# KiCad board architeuthis_dux.kicad_pcb
title: KEYBOARD_NAME_HERE; rev: VERSION_HERE; company: YOUR_NAME_HERE
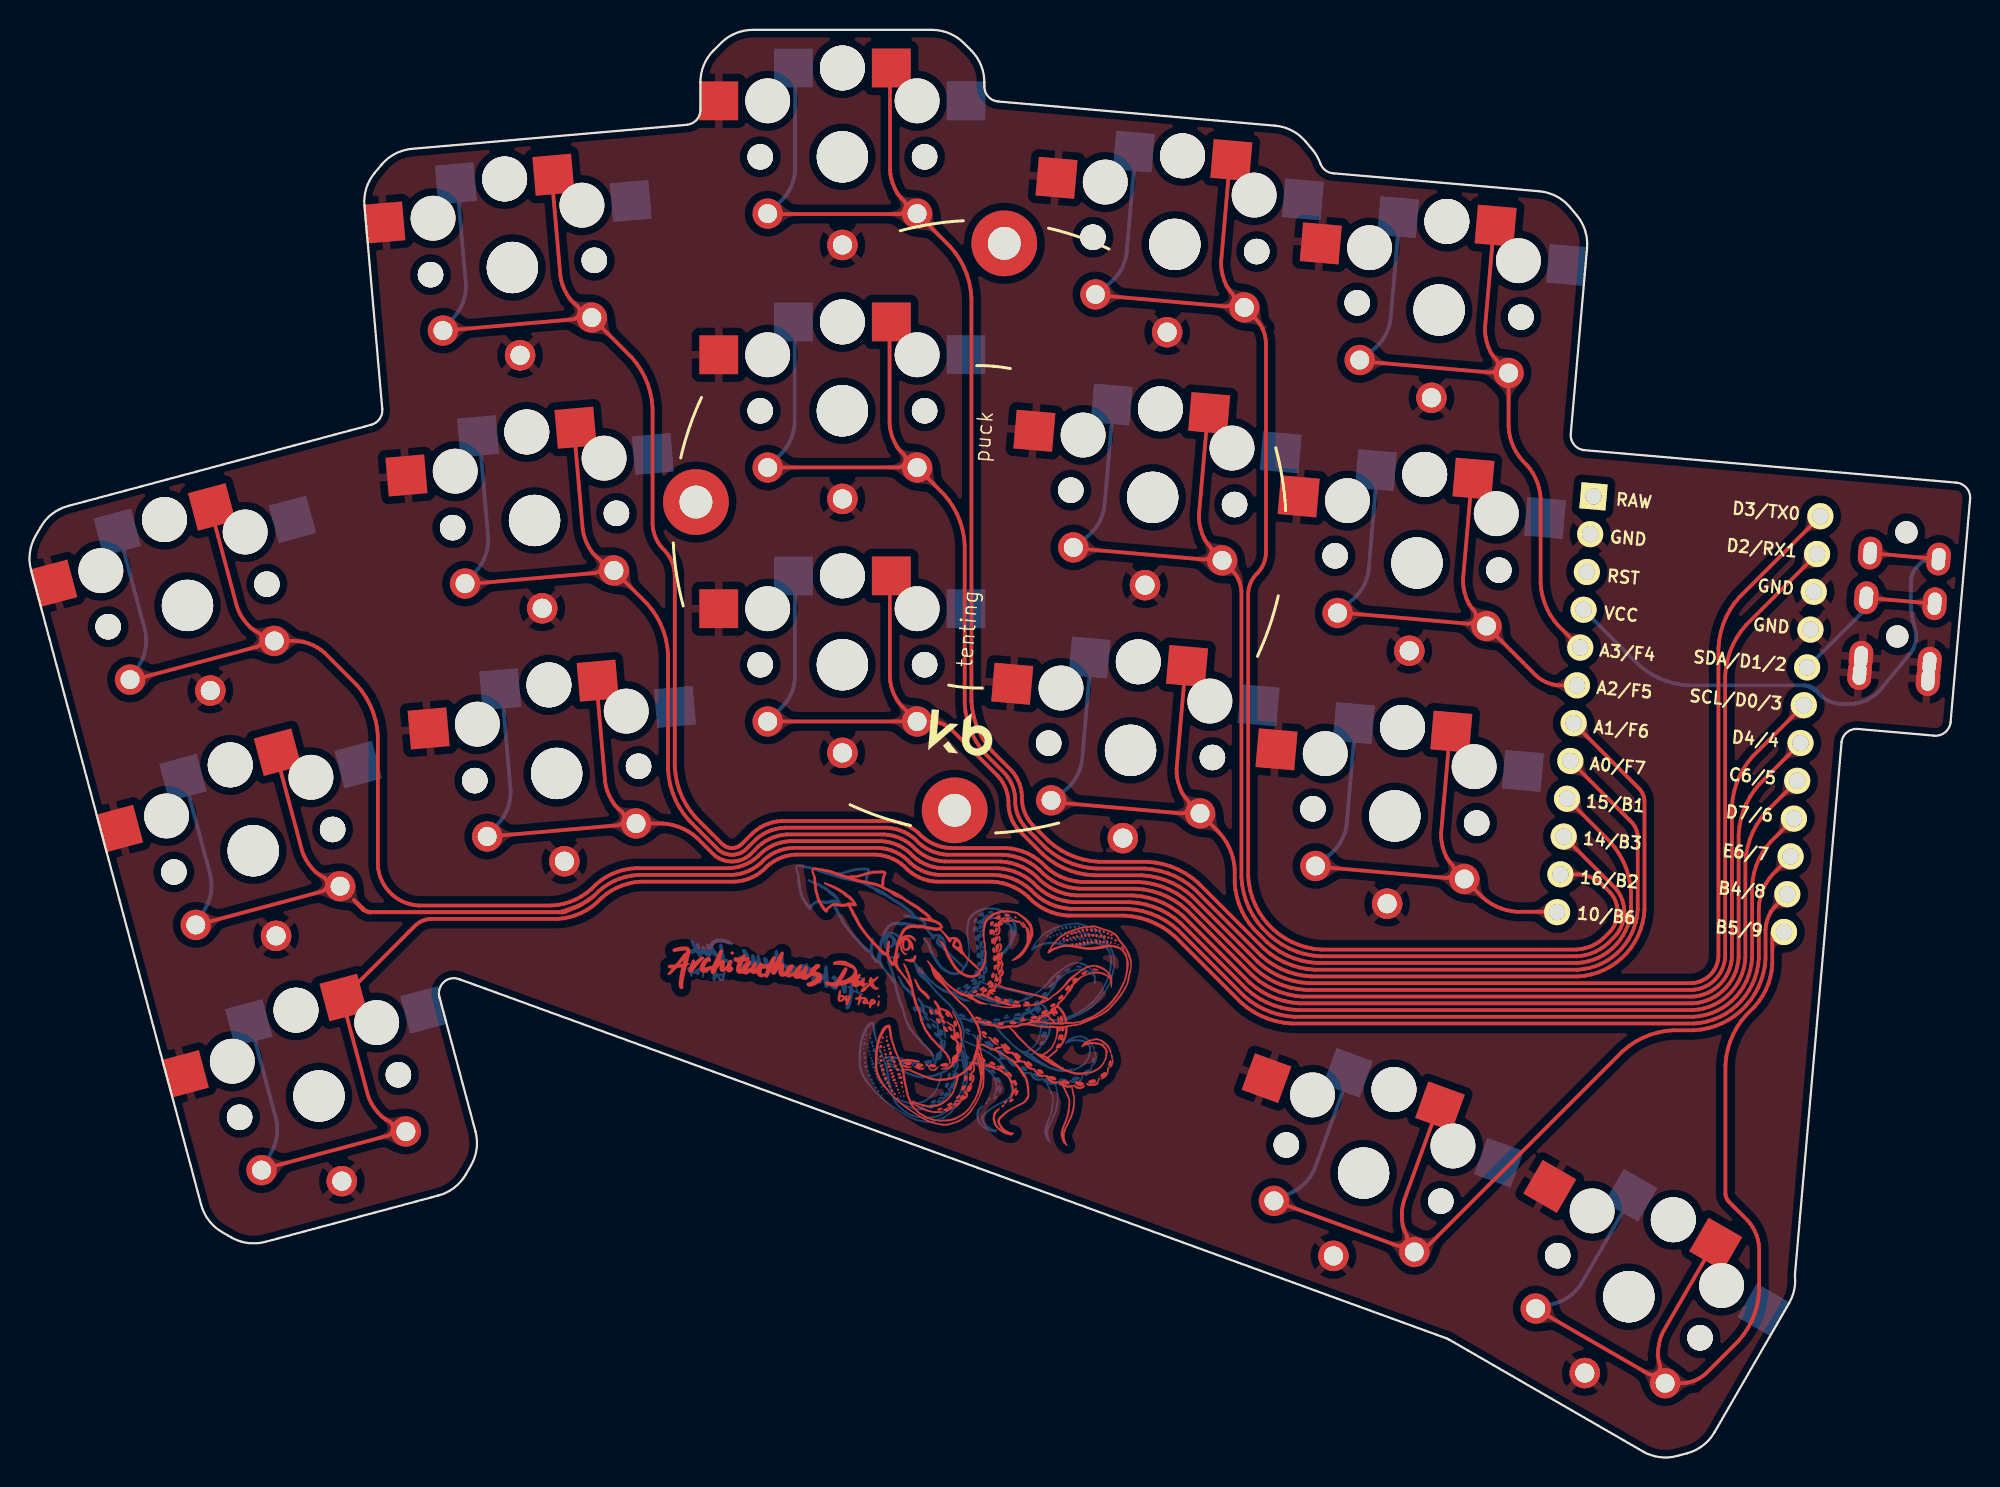
[diagram p0: board, top side]
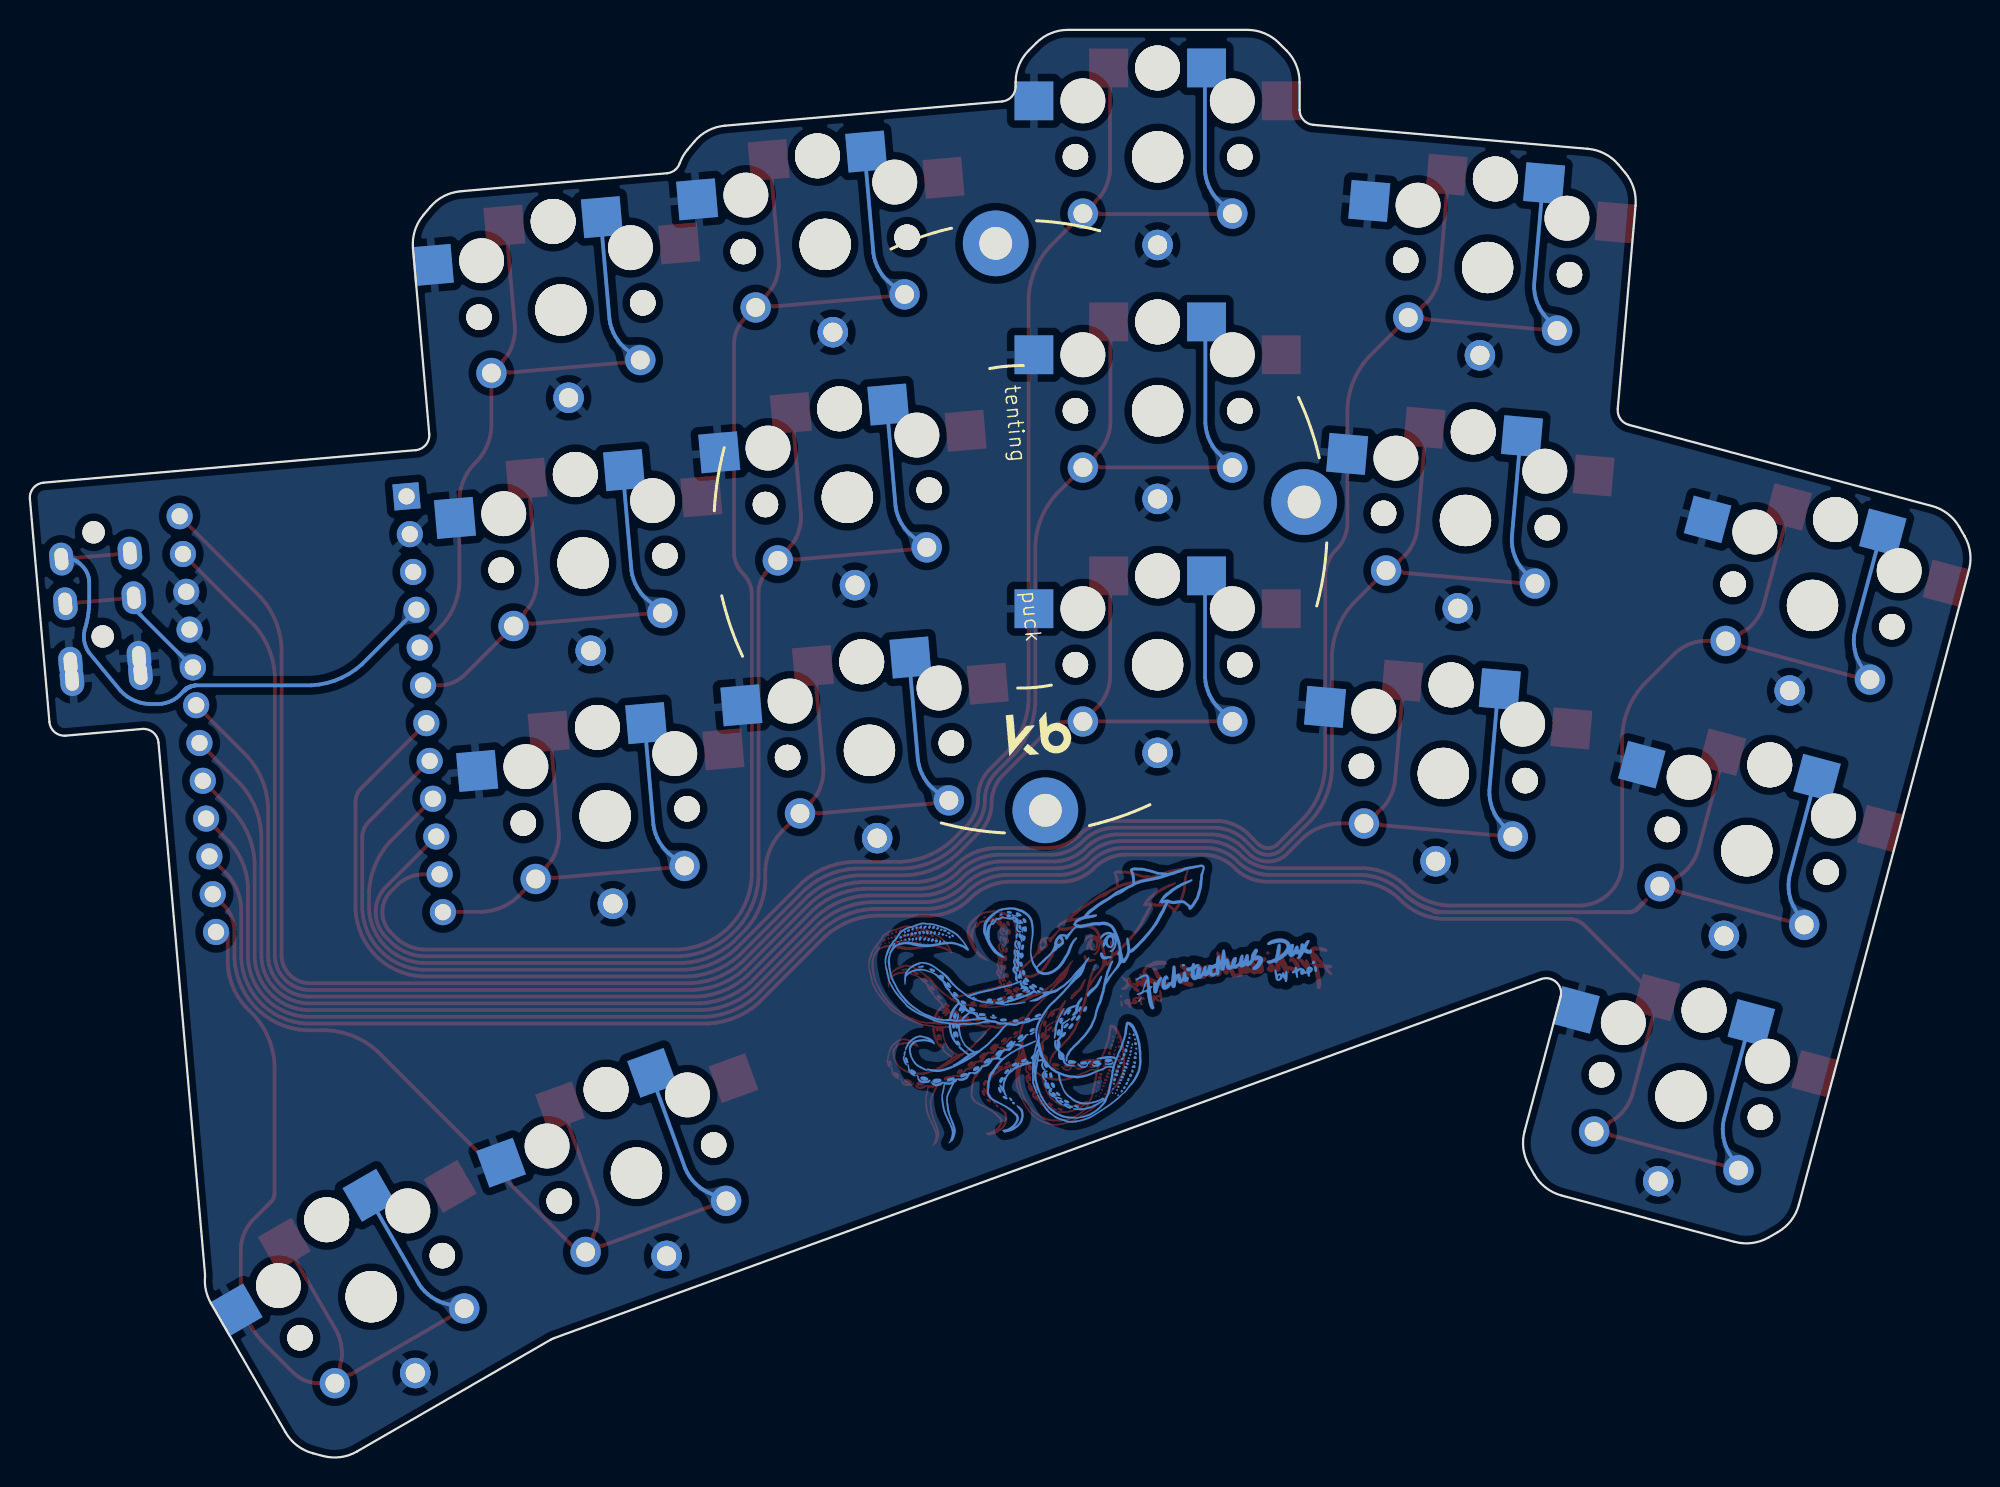
[diagram p1: board, bottom side, seen from below]

Outline 129.83 x 95.55 mm; copper layers: Top, Bottom. Coordinates in mm from the lower left corner of the outline.
Outline path: 0.38,61.66 arc(0,60.55) 0.08,59.39 11.46,16.89 arc(11.98,15.84) 12.86,15.06 13.47,14.71 ; 0.38,61.66 0.73,62.27 arc(1.5,63.16) 2.55,63.67 22.84,69.11 arc(23.4,69.5) 23.58,70.16 22.39,83.79 arc(22.52,84.96) 23.08,85.98 23.53,86.52 arc(24.45,87.26) 25.57,87.58 43.96,89.19 arc(44.61,89.51) 44.87,90.19 44.87,92.05 arc(45.1,93.19) 45.75,94.17 ; 13.47,14.71 arc(14.58,14.33) 15.75,14.41 27.34,17.52 arc(28.39,18.03) 29.16,18.91 ; 29.52,19.53 29.16,18.92 ; 29.52,19.53 arc(29.89,20.64) 29.82,21.8 27.41,30.8 arc(27.7,31.8) 28.71,32 94.8,7.95 arc(94.88,7.92) 94.95,7.88 107.94,0.38 arc(109.05,0) 110.22,0.08 ; 45.75,94.17 46.25,94.67 arc(47.22,95.32) 48.37,95.55 60.37,95.55 arc(61.52,95.32) 62.49,94.67 62.99,94.17 ; 62.99,94.17 arc(63.64,93.19) 63.87,92.05 63.87,91.75 arc(64.13,91.07) 64.78,90.75 83.33,89.13 arc(84.46,88.8) 85.37,88.07 85.82,87.53 arc(86.13,87.09) 86.35,86.61 arc(86.68,86.15) 87.21,85.95 101.02,84.74 arc(102.14,84.41) 103.06,83.68 103.51,83.14 arc(104.07,82.11) 104.2,80.95 103.11,68.5 arc(103.34,67.77) 104.02,67.41 128.92,65.23 arc(129.6,64.88) 129.83,64.15 128.53,49.21 arc(128.17,48.53) 127.44,48.3 122.31,48.75 arc(121.58,48.52) 121.23,47.84 118.12,12.25 arc(118.11,12.16) 118.12,12.08 arc(118.06,11.17) 117.73,10.32 112.73,1.66 arc(111.95,0.78) 110.9,0.26 110.22,0.08

## Placement (name value [footprint] x y rotation side)
C1  -  [ProMicro]  111.01 49.74 265 top
G***  LOGO  [BIGSQUID]  59.02 31 350 top
REF**  Tenting Puck  [Tenting_Puck]  63.54 62.28 355 top
S1  -  [PG1350]  19.35 24.17 15 top
S2  -  [PG1350#2]  19.35 24.17 195 top
S3  -  [PG1350]  14.95 40.59 15 top
S4  -  [PG1350#2]  14.95 40.59 195 top
S5  -  [PG1350]  10.55 57.02 15 top
S6  -  [PG1350#2]  10.55 57.02 195 top
S7  -  [PG1350]  35.25 45.77 5 top
S8  -  [PG1350#2]  35.25 45.77 185 top
S9  -  [PG1350]  33.77 62.7 5 top
S10  -  [PG1350#2]  33.77 62.7 185 top
S11  -  [PG1350]  32.29 79.64 5 top
S12  -  [PG1350#2]  32.29 79.64 185 top
S13  -  [PG1350]  54.37 53.05 0 top
S14  -  [PG1350#2]  54.37 53.05 180 top
S15  -  [PG1350]  54.37 70.05 0 top
S16  -  [PG1350#2]  54.37 70.05 180 top
S17  -  [PG1350]  54.37 87.05 0 top
S18  -  [PG1350#2]  54.37 87.05 180 top
S19  -  [PG1350]  73.65 47.32 355 top
S20  -  [PG1350#2]  73.65 47.32 175 top
S21  -  [PG1350]  75.13 64.25 355 top
S22  -  [PG1350#2]  75.13 64.25 175 top
S23  -  [PG1350]  76.62 81.19 355 top
S24  -  [PG1350#2]  76.62 81.19 175 top
S25  -  [PG1350]  91.34 42.92 355 top
S26  -  [PG1350#2]  91.34 42.92 175 top
S27  -  [PG1350]  92.82 59.86 355 top
S28  -  [PG1350#2]  92.82 59.86 175 top
S29  -  [PG1350]  94.3 76.79 355 top
S30  -  [PG1350#2]  94.3 76.79 175 top
S31  -  [PG1350]  89.25 19.02 340 top
S32  -  [PG1350#2]  89.25 19.02 160 top
S33  -  [PG1350]  107 10.74 330 top
S34  -  [PG1350#2]  107 10.74 150 top
T1  -  [TRRS-PJ-320A-dual]  128 63.31 355 top

## Footprints (pads in the part's own frame, mm; a bottom-side part is the same pattern mirrored in y, then rotated)
PG1350
  round 1.702 hole 1.702 unplated: (-5.5,0) (5.5,0)
  round 3 hole 3 unplated: (-5,3.75) (0,5.95) (0,5.95) (5,3.75)
  round 3.429 hole 3.429 unplated: (0,0)
  rect 2.6x2.6 smd far side: 1(-3.275,5.95) 2(8.275,3.75)
  rect 2.6x2.6 smd: 1(3.275,5.95) 2(-8.275,3.75)
PG1350#2
  round 1.702 hole 1.702 unplated: (-5.5,0) (5.5,0)
  round 3.429 hole 3.429 unplated: (0,0)
  round 2.032 hole 1.27: 1(-5,3.8) 1(5,3.8) 2(0,5.9) 2(0,5.9)
ProMicro
  rect 1.753x1.753 hole 1.092: 1(-13.97,-7.62)
  round 1.753 hole 1.092: 2(-11.43,-7.62) 3(-8.89,-7.62) 4(-6.35,-7.62) 5(-3.81,-7.62) 6(-1.27,-7.62) 7(1.27,-7.62) 8(3.81,-7.62) 9(6.35,-7.62) 10(8.89,-7.62) 11(11.43,-7.62) 12(13.97,-7.62) 13(-13.97,7.62) 14(-11.43,7.62) 15(-8.89,7.62) 16(-6.35,7.62) 17(-3.81,7.62) 18(-1.27,7.62) 19(1.27,7.62) 20(3.81,7.62) 21(6.35,7.62) 22(8.89,7.62) 23(11.43,7.62) 24(13.97,7.62)
Tenting_Puck
  round 4.4 hole 2.2: 1(-19.05,0) 1(0,19.05) 1(0,-19.05)
TRRS-PJ-320A-dual
  round 1.5 hole 1.5 unplated: (-2.3,-1.6) (-2.3,-8.6)
  oval 1.6x2.2 hole 0.9x1.5: 1(-4.6,-11.3) 1(0,-11.3) 2(-4.6,-10.2) 2(0,-10.2) 3(-4.6,-6.2) 3(0,-6.2) 4(-4.6,-3.2) 4(0,-3.2)

## Nets
GND: C1.2 C1.15 C1.16 S1.2 S2.2 S3.2 S4.2 S5.2 S6.2 S7.2 S8.2 S9.2 S10.2 S11.2 S12.2 S13.2 S14.2 S15.2 S16.2 S17.2 S18.2 S19.2 S20.2 S21.2 S22.2 S23.2 S24.2 S25.2 S26.2 S27.2 S28.2 S29.2 S30.2 S31.2 S32.2 S33.2 S34.2 T1.1 T1.2
VCC: C1.4 T1.4
P0: C1.14 S11.1 S12.1
P1: C1.13 S13.1 S14.1
P2: C1.17 T1.3
P3: C1.18 S9.1 S10.1
P4: C1.19 S7.1 S8.1
P5: C1.20 S5.1 S6.1
P6: C1.21 S3.1 S4.1
P7: C1.22 S1.1 S2.1
P8: C1.23 S31.1 S32.1
P9: C1.24 S33.1 S34.1
P10: C1.12 S25.1 S26.1
P14: C1.10 S21.1 S22.1
P15: C1.9 S19.1 S20.1
P16: C1.11 S23.1 S24.1
P18: C1.8 S17.1 S18.1
P19: C1.7 S15.1 S16.1
P20: C1.6 S27.1 S28.1
P21: C1.5 S29.1 S30.1

Pads without a net: C1 1 3; REF** 1

## Routing (per net, layer and track width the routed paths; a pad name or vN(x,y) marks a point on that pad's centre or on a via; arc(x,y) is an arc through that point)
VCC: length 40
  Top w0.25: T1.4 T1.4
  Bottom w0.25: 119.43,51.37 119.42,51.37 ; 119.43,51.37 119.44,51.37 ; 119.43,51.37 119.4,51.38 ; 119.42,51.37 119.49,51.32 ; 119.42,51.37 119.4,51.38 ; 119.4,51.42 119.39,51.43 ; 119.4,51.42 119.42,51.4 ; 119.4,51.42 119.39,51.43 ; 119.39,51.43 119.38,51.44 ; 119.39,51.43 119.36,51.46 ; 119.06,51.6 119.08,51.59 ; 119.06,51.6 119.13,51.57 ; 119.06,51.6 119.05,51.6 ; 119.08,51.59 119.13,51.57 ; 119.08,51.59 118.9,51.64 ; 119.44,51.37 119.46,51.36 ; 119.44,51.37 119.45,51.38 ; 119.38,51.44 119.36,51.46 ; 119.38,51.44 119.85,50.97 120.02,50.84 120.19,50.72 120.37,50.62 120.57,50.54 120.77,50.48 120.97,50.44 121.18,50.42 121.87,50.42 122.18,50.45 122.48,50.52 122.77,50.62 123.05,50.75 123.31,50.91 123.55,51.1 123.77,51.31 125.87,53.86 125.99,54.05 126.09,54.25 126.16,54.46 126.21,54.68 126.22,54.91 126.21,55.13 126.18,55.35 126.11,55.59 126.05,55.82 126,56.05 125.95,56.28 125.92,56.53 125.89,56.77 125.87,57.01 125.86,57.25 125.86,58.61 125.88,58.76 125.91,58.92 125.96,59.07 126.01,59.21 126.09,59.35 126.18,59.48 126.27,59.6 126.51,59.83 126.59,59.9 126.68,59.96 126.78,60.01 126.88,60.05 126.99,60.09 127.09,60.11 127.2,60.12 T1.4 ; 119.03,51.59 118.98,51.61 ; 119.03,51.59 119.4,51.38 ; 119.03,51.59 119.05,51.6 ; 118.98,51.61 118.85,51.65 ; 118.98,51.61 119.05,51.6 ; 118.74,51.67 111.01,51.67 110.48,51.72 109.96,51.82 109.45,51.98 108.95,52.18 108.48,52.43 108.04,52.73 107.62,53.07 C1.4 ; 118.74,51.67 118.85,51.65 ; 118.74,51.67 118.9,51.64 ; 119.46,51.36 119.51,51.31 ; 119.46,51.36 119.45,51.38 ; 119.49,51.32 119.51,51.31 ; 119.49,51.32 119.56,51.27 ; 119.51,51.31 119.56,51.27 ; 118.85,51.65 118.9,51.64 ; 119.13,51.57 119.25,51.52 ; 119.32,51.48 119.36,51.46 ; 119.32,51.48 119.25,51.52 ; 119.32,51.48 119.3,51.5 ; 119.25,51.52 119.3,51.5 ; 119.42,51.4 119.39,51.43 ; 119.42,51.4 119.45,51.38 ; 119.39,51.43 119.3,51.5 ; 119.56,51.27 119.83,50.99
P0: length 169.3
  Top w0.25: S12.1 40.26,73.63 40.6,73.21 40.9,72.77 41.15,72.3 41.36,71.8 41.51,71.29 41.62,70.77 41.67,70.23 41.67,62.43 41.69,62.18 41.74,61.94 41.81,61.7 41.91,61.47 42.03,61.25 42.17,61.04 42.32,60.85 42.5,60.67 42.66,60.48 42.8,60.27 42.91,60.05 43.01,59.82 43.08,59.58 43.13,59.34 43.15,59.09 43.15,46.2 43.21,45.67 43.31,45.15 43.47,44.64 43.67,44.14 43.92,43.67 44.22,43.23 44.56,42.81 46.36,41.02 46.43,40.96 46.5,40.91 46.58,40.86 46.67,40.83 46.76,40.8 46.85,40.78 46.94,40.78 47.03,40.78 47.12,40.78 47.21,40.8 47.3,40.83 47.38,40.86 47.46,40.91 47.54,40.96 47.61,41.02 48.38,41.79 48.61,41.98 48.87,42.15 49.14,42.29 49.42,42.41 49.71,42.5 50,42.56 50.31,42.59 57.53,42.59 57.83,42.56 58.13,42.5 58.42,42.41 58.7,42.29 58.97,42.15 59.22,41.98 59.45,41.79 59.67,41.57 59.9,41.38 60.16,41.21 60.42,41.07 60.7,40.95 61,40.86 61.29,40.8 61.6,40.78 65.31,40.78 65.69,40.74 66.06,40.66 66.43,40.55 66.78,40.41 67.12,40.23 67.43,40.02 67.73,39.77 68,39.5 68.29,39.26 68.61,39.05 68.95,38.87 69.3,38.72 69.66,38.61 70.04,38.54 70.42,38.5 74.2,38.5 74.73,38.45 75.26,38.35 75.77,38.19 76.26,37.99 76.73,37.73 77.18,37.44 77.59,37.1 82.01,32.68 82.42,32.34 82.86,32.05 83.34,31.79 83.83,31.59 84.34,31.43 84.87,31.33 85.4,31.28 111.22,31.28 111.45,31.3 111.67,31.35 111.89,31.41 112.1,31.5 112.31,31.61 112.5,31.74 112.68,31.88 112.84,32.05 112.99,32.22 113.11,32.41 113.22,32.62 113.31,32.83 113.38,33.05 113.42,33.28 113.44,33.5 113.44,52.32 113.5,52.85 113.6,53.38 113.76,53.89 113.96,54.38 114.21,54.86 114.51,55.3 114.85,55.71 C1.14 ; 34.92,85.73 35.5,79.07 35.56,78.77 35.64,78.47 35.76,78.19 35.94,77.83 36.08,77.63 36.23,77.44 36.4,77.27 36.65,77.05 36.74,76.92 36.78,76.77 36.78,76.61 36.73,76.46 36.64,76.33 36.52,76.23 36.37,76.17 27.62,75.4
  Bottom w0.25: 27.62,75.4 28.54,76.51 28.72,76.76 28.86,77.03 28.98,77.31 29.08,77.6 29.14,77.9 29.17,78.21 29.18,78.51 28.59,85.18
P1: length 127.5
  Top w0.25: 58.68,49.25 58.56,49.25 ; 58.68,49.25 58.81,49.25 ; 58.68,49.25 58.7,49.29 ; 58.56,49.25 S14.1 ; 58.56,49.25 58.7,49.29 ; 58.81,49.25 58.85,49.28 ; 58.81,49.25 58.88,49.25 ; 59.42,49.25 59.53,49.28 ; 59.42,49.25 59.51,49.25 ; 59.42,49.25 58.88,49.25 ; 59.53,49.28 59.51,49.25 ; 59.53,49.28 59.56,49.3 ; 58.85,49.28 58.85,49.32 ; 58.85,49.28 58.88,49.25 ; 58.94,49.68 58.35,50.27 58.16,50.5 57.99,50.76 57.84,51.03 57.72,51.31 57.64,51.6 57.58,51.9 57.55,52.21 57.55,58.83 57.55,58.85 57.55,58.87 57.56,58.88 57.56,58.9 57.57,58.91 57.58,58.93 57.59,58.94 S13.1 ; 58.94,49.68 58.97,49.6 ; 58.94,49.68 59.02,49.62 ; 58.85,49.32 58.82,49.35 ; 58.85,49.32 58.87,49.38 ; 58.82,49.35 58.87,49.38 ; 58.82,49.35 58.7,49.29 ; 58.96,49.52 59,49.48 ; 58.96,49.52 58.93,49.45 ; 58.96,49.52 58.97,49.6 ; 59,49.48 58.93,49.45 ; 59,49.48 59.09,49.51 ; 58.87,49.38 58.93,49.45 ; 59.58,49.35 59.66,49.32 ; 59.58,49.35 59.21,49.5 ; 59.58,49.35 59.56,49.3 ; 59.66,49.32 59.56,49.3 ; 59.66,49.32 59.92,49.27 ; 59.02,49.62 58.97,49.6 ; 59.02,49.62 59.12,49.55 ; C1.13 114.4,57.57 114.06,57.16 113.76,56.72 113.51,56.24 113.31,55.75 113.15,55.24 113.05,54.71 112.99,54.18 112.99,33.53 112.98,33.34 112.94,33.16 112.89,32.98 112.81,32.81 112.73,32.65 112.62,32.49 112.51,32.35 112.37,32.22 112.23,32.1 112.08,31.99 111.91,31.91 111.74,31.84 111.56,31.78 111.38,31.75 111.2,31.73 85.58,31.73 85.05,31.78 84.53,31.88 84.02,32.04 83.52,32.24 83.05,32.5 82.61,32.79 82.19,33.13 77.78,37.55 77.36,37.89 76.92,38.18 76.45,38.44 75.95,38.64 75.44,38.8 74.92,38.9 74.39,38.95 71.17,38.95 70.64,39.01 70.12,39.11 69.61,39.26 69.11,39.47 68.64,39.72 68.2,40.02 67.78,40.36 66.18,41.96 66.01,42.17 65.86,42.39 65.74,42.62 65.64,42.86 65.56,43.12 65.51,43.38 65.48,43.64 65.48,43.91 65.46,44.17 65.4,44.43 65.33,44.68 65.23,44.93 65.1,45.16 64.95,45.38 64.79,45.59 61.67,48.7 61.51,48.83 61.34,48.95 61.16,49.05 60.96,49.13 60.76,49.19 60.56,49.23 60.35,49.25 60.12,49.25 ; 59.51,49.25 59.83,49.25 ; 60.12,49.25 59.83,49.25 ; 60.12,49.25 59.92,49.27 ; 59.83,49.25 59.92,49.27 ; 59.21,49.5 59.09,49.51 ; 59.21,49.5 59.12,49.55 ; 59.09,49.51 59.12,49.55
  Bottom w0.25: S13.1 51.15,58.94 51.16,58.93 51.17,58.91 51.18,58.9 51.19,58.88 51.19,58.87 51.19,58.85 51.2,58.83 51.2,52.21 51.17,51.9 51.11,51.6 51.02,51.31 50.9,51.03 50.76,50.76 50.59,50.5 50.39,50.27 S14.1
P2: length 10.9
  Top w0.25: T1.3 T1.3
  Bottom w0.25: T1.3 122.88,57.13 122.87,57.05 122.86,56.97 122.83,56.88 122.8,56.81 122.76,56.73 122.71,56.66 122.66,56.6 C1.17
P3: length 142.5
  Top w0.25: C1.18 115.3,46.93 114.96,46.52 114.66,46.07 114.41,45.6 114.21,45.11 114.05,44.59 113.95,44.07 113.89,43.54 113.89,33.48 113.87,33.21 113.81,32.94 113.73,32.68 113.63,32.42 113.5,32.18 113.35,31.95 113.17,31.74 112.98,31.55 112.77,31.37 112.54,31.22 112.3,31.09 112.04,30.99 111.78,30.91 111.51,30.85 111.24,30.83 85.21,30.83 84.68,30.88 84.15,30.98 83.64,31.14 83.15,31.34 82.68,31.6 82.23,31.89 81.82,32.23 77.4,36.65 76.99,36.99 76.55,37.28 76.07,37.54 75.58,37.74 75.07,37.9 74.54,38 74.01,38.05 70.23,38.05 69.85,38.09 69.48,38.16 69.11,38.27 68.76,38.42 68.42,38.6 68.11,38.81 67.81,39.05 67.54,39.32 67.25,39.57 66.93,39.78 66.6,39.96 66.24,40.1 65.88,40.21 65.5,40.29 65.13,40.33 61.41,40.33 61.11,40.35 60.81,40.41 60.52,40.5 60.24,40.62 59.97,40.76 59.72,40.93 59.48,41.12 59.27,41.34 59.03,41.53 58.78,41.7 58.51,41.84 58.23,41.96 57.94,42.05 57.64,42.11 57.34,42.14 50.49,42.14 50.19,42.11 49.89,42.05 49.6,41.96 49.32,41.84 49.05,41.7 48.8,41.53 48.57,41.34 47.91,40.68 47.8,40.6 47.69,40.52 47.57,40.46 47.45,40.4 47.32,40.36 47.18,40.34 47.05,40.33 46.91,40.33 46.78,40.34 46.65,40.36 46.52,40.4 46.39,40.46 46.27,40.52 46.16,40.6 46.05,40.68 44.11,42.63 43.77,43.04 43.47,43.48 43.22,43.96 43.02,44.45 42.86,44.96 42.76,45.49 42.7,46.02 42.7,53.75 42.65,54.28 42.55,54.8 42.39,55.31 42.19,55.81 41.94,56.28 41.64,56.72 41.3,57.14 S10.1 ; 29.11,58.43 37.87,59.2 38.01,59.25 38.14,59.35 38.23,59.48 38.27,59.64 38.28,59.79 38.23,59.95 38.14,60.08 37.89,60.29 37.72,60.46 37.57,60.65 37.44,60.85 37.25,61.21 37.14,61.5 37.05,61.79 37,62.09 36.41,68.75
  Bottom w0.25: 30.09,68.2 30.67,61.54 30.67,61.23 30.63,60.93 30.57,60.63 30.48,60.34 30.36,60.06 30.21,59.79 30.04,59.53 29.11,58.43
P4: length 125.5
  Top w0.25: 30.61,41.54 39.36,42.3 39.51,42.36 39.63,42.46 39.72,42.59 39.77,42.74 39.77,42.9 39.73,43.05 39.64,43.19 39.39,43.4 39.22,43.57 39.07,43.76 38.94,43.96 38.75,44.32 38.64,44.6 38.55,44.9 38.49,45.2 37.91,51.86 ; C1.19 115.75,45.07 115.41,44.66 115.11,44.21 114.86,43.74 114.66,43.25 114.5,42.73 114.4,42.21 114.34,41.68 114.34,33.46 114.31,33.14 114.25,32.83 114.16,32.53 114.04,32.23 113.89,31.95 113.71,31.69 113.51,31.44 113.28,31.21 113.04,31.01 112.77,30.84 112.49,30.69 112.2,30.56 111.89,30.47 111.58,30.41 111.26,30.38 85,30.38 84.47,30.43 83.94,30.53 83.43,30.69 82.94,30.89 82.47,31.15 82.02,31.44 81.61,31.78 77.19,36.2 76.78,36.54 76.34,36.83 75.86,37.09 75.37,37.29 74.86,37.45 74.33,37.55 73.8,37.6 70.04,37.6 69.66,37.64 69.29,37.71 68.93,37.82 68.57,37.97 68.24,38.15 67.92,38.36 67.63,38.6 67.36,38.87 67.06,39.12 66.75,39.33 66.41,39.51 66.06,39.65 65.69,39.76 65.32,39.84 64.94,39.88 61.22,39.88 60.92,39.9 60.62,39.96 60.33,40.05 60.05,40.17 59.78,40.31 59.53,40.48 59.3,40.67 59.08,40.89 58.85,41.08 58.59,41.25 58.33,41.39 58.04,41.51 57.75,41.6 57.46,41.66 57.15,41.69 50.68,41.69 50.38,41.66 50.08,41.6 49.79,41.51 49.51,41.39 49.24,41.25 48.99,41.08 48.75,40.89 48.21,40.35 48.07,40.23 47.92,40.13 47.76,40.05 47.6,39.98 47.43,39.93 47.25,39.89 47.07,39.88 46.89,39.88 46.71,39.89 46.54,39.93 46.36,39.98 46.2,40.05 46.04,40.13 45.89,40.23 45.75,40.35 44.65,41.45 44.37,41.68 44.06,41.89 43.73,42.06 43.39,42.2 43.04,42.31 42.67,42.38 42.31,42.42 S8.1
  Bottom w0.25: 30.61,41.54 31.54,42.64 31.71,42.89 31.86,43.16 31.98,43.44 32.07,43.74 32.13,44.04 32.16,44.34 32.17,44.65 31.59,51.31
P5: length 161
  Top w0.25: S6.1 17.79,54.64 18.1,54.61 18.39,54.55 18.68,54.46 18.97,54.35 19.23,54.2 19.49,54.03 19.72,53.84 21.88,51.68 22.22,51.27 22.52,50.82 22.77,50.35 22.97,49.86 23.13,49.35 23.23,48.82 23.28,48.29 23.28,39.66 23.31,39.38 23.37,39.1 23.45,38.83 23.56,38.57 23.69,38.32 23.85,38.09 24.03,37.87 24.23,37.67 24.45,37.49 24.68,37.33 24.93,37.2 25.19,37.09 25.46,37.01 25.74,36.96 26.02,36.93 34.91,36.93 35.33,36.97 35.74,37.05 36.14,37.17 36.53,37.33 36.9,37.53 37.25,37.76 37.57,38.03 37.87,38.32 38.19,38.59 38.54,38.82 38.91,39.02 39.29,39.18 39.7,39.3 40.11,39.38 40.52,39.43 46.8,39.43 47.1,39.45 47.4,39.51 47.69,39.6 47.97,39.72 48.24,39.86 48.49,40.03 48.72,40.22 48.94,40.44 49.17,40.63 49.43,40.8 49.69,40.94 49.98,41.06 50.27,41.15 50.56,41.21 50.87,41.24 56.97,41.24 57.27,41.21 57.57,41.15 57.86,41.06 58.14,40.94 58.41,40.8 58.66,40.63 58.89,40.44 59.11,40.22 59.34,40.03 59.6,39.86 59.86,39.72 60.15,39.6 60.44,39.51 60.73,39.45 61.04,39.43 64.75,39.43 65.13,39.39 65.51,39.31 65.87,39.2 66.22,39.06 66.56,38.88 66.88,38.67 67.17,38.42 67.44,38.15 67.73,37.91 68.05,37.7 68.39,37.52 68.74,37.37 69.1,37.26 69.48,37.19 69.86,37.15 73.62,37.15 74.15,37.1 74.67,37 75.18,36.84 75.68,36.64 76.15,36.38 76.59,36.09 77.01,35.75 81.42,31.33 81.84,30.99 82.28,30.7 82.75,30.44 83.25,30.24 83.76,30.08 84.28,29.98 84.81,29.93 111.28,29.93 111.64,29.96 112,30.03 112.35,30.14 112.68,30.28 113,30.45 113.3,30.65 113.58,30.88 113.84,31.14 114.07,31.42 114.27,31.72 114.44,32.04 114.58,32.37 114.69,32.72 114.76,33.08 114.79,33.44 114.79,39.82 114.85,40.35 114.95,40.88 115.11,41.39 115.31,41.88 115.56,42.35 115.86,42.8 116.2,43.21 C1.20 ; 6.72,51.98 15.21,54.25 15.34,54.34 15.45,54.46 15.51,54.6 15.53,54.76 15.51,54.92 15.44,55.06 15.33,55.17 15.04,55.34 14.85,55.48 14.67,55.64 14.5,55.81 14.25,56.14 14.09,56.4 13.96,56.67 13.85,56.96 12.12,63.42
  Bottom w0.25: 5.98,61.77 7.72,55.31 7.77,55.01 7.79,54.71 7.78,54.4 7.74,54.1 7.67,53.8 7.57,53.51 7.44,53.23 6.72,51.98
P6: length 160.1
  Top w0.25: 22.02,36.96 21.99,36.99 ; 22.02,36.96 22.03,36.95 ; 22.02,36.96 22.03,36.95 ; 21.99,36.99 22.03,36.95 ; 21.99,36.99 21.95,37.03 ; 22.23,36.75 22.22,36.75 ; 22.22,36.75 22.22,36.75 ; 22.23,36.75 22.23,36.75 ; 22.22,36.75 22.17,36.81 ; 22.22,36.75 22.2,36.77 ; 35.56,36.48 35.53,36.48 ; 35.56,36.48 35.56,36.49 ; 35.56,36.48 35.6,36.48 ; 35.53,36.48 35.45,36.48 ; 35.53,36.48 35.56,36.49 ; 37.76,37.58 38.05,37.87 38.38,38.14 38.72,38.37 39.09,38.57 39.48,38.73 39.88,38.85 40.29,38.93 40.71,38.98 46.98,38.98 47.29,39 47.58,39.06 47.87,39.15 48.16,39.27 48.42,39.41 48.68,39.58 48.91,39.77 49.13,39.99 49.36,40.18 49.61,40.35 49.88,40.49 50.16,40.61 50.45,40.7 50.75,40.76 51.05,40.79 56.78,40.79 57.08,40.76 57.38,40.7 57.67,40.61 57.95,40.49 58.22,40.35 58.47,40.18 58.71,39.99 58.92,39.77 59.16,39.58 59.41,39.41 59.68,39.27 59.96,39.15 60.25,39.06 60.55,39 60.85,38.98 64.57,38.98 64.95,38.94 65.32,38.86 65.68,38.75 66.04,38.61 66.37,38.43 66.69,38.22 66.98,37.97 67.25,37.7 67.55,37.46 67.87,37.25 68.2,37.07 68.55,36.92 68.92,36.81 69.29,36.74 69.67,36.7 73.43,36.7 73.96,36.65 74.49,36.55 75,36.39 75.49,36.19 75.96,35.93 76.41,35.64 76.82,35.3 81.24,30.88 81.65,30.54 82.09,30.25 82.57,29.99 83.06,29.79 83.57,29.63 84.1,29.53 84.63,29.48 111.31,29.48 111.71,29.52 112.11,29.6 112.5,29.72 112.88,29.87 113.23,30.06 113.57,30.29 113.89,30.55 114.17,30.83 114.43,31.15 114.66,31.49 114.85,31.85 115.01,32.22 115.12,32.61 115.2,33.01 115.24,33.42 115.24,38.2 115.29,38.67 115.38,39.13 115.52,39.58 115.7,40.01 115.92,40.43 116.18,40.82 116.48,41.18 C1.21 ; 37.76,37.58 37.43,37.32 ; 37.76,37.58 37.26,37.21 ; 22.2,36.77 22.19,36.79 ; 22.2,36.77 22.21,36.77 ; 22.19,36.79 22.21,36.77 ; 22.19,36.79 22.16,36.82 ; 22.34,36.66 22.34,36.66 ; 22.34,36.66 22.61,36.51 ; 22.34,36.66 22.33,36.67 ; 22.34,36.66 22.33,36.65 ; 22.34,36.66 22.33,36.67 ; 22.31,36.67 22.3,36.68 ; 22.31,36.67 22.32,36.66 ; 22.31,36.67 22.35,36.63 ; 22.3,36.68 22.32,36.66 ; 22.3,36.68 22.23,36.75 ; 35.45,36.48 35.39,36.48 ; 35.45,36.48 35.48,36.49 ; 35.39,36.48 35.48,36.49 ; 35.39,36.48 22.87,36.48 ; 35.48,36.49 35.57,36.51 ; 22.24,36.74 22.25,36.73 ; 22.24,36.74 22.03,36.95 ; 22.24,36.74 22.26,36.72 ; 22.25,36.73 22.23,36.75 ; 22.25,36.73 22.26,36.72 ; 22.74,36.48 22.74,36.48 ; 22.74,36.48 22.73,36.48 ; 22.74,36.48 22.66,36.49 ; 22.74,36.48 22.73,36.48 ; 22.74,36.48 22.74,36.48 ; 37.43,37.32 36.71,36.91 ; 37.43,37.32 37.26,37.21 ; 36.71,36.91 36.63,36.85 ; 36.71,36.91 36.45,36.77 ; 22.73,36.48 22.72,36.48 ; 22.07,36.9 22.03,36.95 ; 22.07,36.9 22.05,36.93 ; 22.07,36.9 22.13,36.85 ; 22.03,36.95 22.05,36.93 ; 22.21,36.77 22.23,36.75 ; 35.77,36.5 35.83,36.51 ; 35.77,36.5 35.74,36.49 ; 35.77,36.5 35.64,36.48 ; 35.83,36.51 36.45,36.77 ; 35.83,36.51 35.74,36.49 ; 36.98,37.04 36.73,36.9 ; 36.98,37.04 36.81,36.95 ; 36.98,37.04 37.26,37.21 ; 36.73,36.9 36.63,36.85 ; 36.73,36.9 36.81,36.95 ; 22.75,36.48 22.75,36.48 ; 22.75,36.48 22.76,36.48 ; 22.75,36.48 22.74,36.48 ; 22.75,36.48 22.74,36.48 ; 22.75,36.48 22.82,36.48 ; 22.23,36.75 21.79,37.19 21.87,37.11 ; 22.23,36.75 22.23,36.75 ; 22.23,36.75 22.23,36.75 ; 22.34,36.64 22.41,36.59 ; 22.34,36.64 22.33,36.65 ; 22.34,36.64 22.34,36.64 ; 22.41,36.59 22.39,36.6 ; 22.41,36.59 22.45,36.58 ; 35.57,36.51 35.57,36.5 ; 35.57,36.51 35.6,36.52 ; 22.34,36.64 22.33,36.65 ; 22.34,36.64 22.35,36.63 ; 22.33,36.65 22.33,36.65 ; 22.33,36.65 22.32,36.66 ; 35.56,36.49 35.57,36.5 ; 22.83,36.48 22.78,36.49 ; 22.83,36.48 22.82,36.48 ; 22.83,36.48 22.87,36.48 ; 22.78,36.49 22.77,36.49 ; 22.78,36.49 22.76,36.48 ; 22.87,36.48 22.82,36.48 ; 22.45,36.58 22.39,36.6 ; 22.45,36.58 22.77,36.49 ; 22.39,36.6 22.37,36.61 ; 35.57,36.5 35.6,36.52 ; 35.6,36.52 36.81,36.95 ; 36.45,36.77 36.63,36.85 ; 21.87,37.11 21.95,37.03 ; 21.87,37.11 21.92,37.06 ; 21.95,37.03 21.92,37.06 ; 22.66,36.49 22.65,36.49 ; 22.66,36.49 22.61,36.51 ; 35.6,36.48 35.64,36.48 ; 35.6,36.48 35.63,36.48 ; 35.64,36.48 35.63,36.48 ; 22.17,36.81 22.16,36.82 ; 22.17,36.81 22.13,36.85 ; 22.16,36.82 22.13,36.85 ; 22.76,36.48 22.77,36.49 ; 21.92,37.06 22.05,36.93 ; 22.23,36.75 22.23,36.75 ; 22.37,36.61 22.35,36.63 ; 22.37,36.61 22.35,36.63 ; 22.65,36.49 22.61,36.51 ; 22.65,36.49 22.69,36.48 ; 22.72,36.48 22.69,36.48 ; 22.72,36.48 22.71,36.48 ; 11.09,35.6 19.58,37.88 19.71,37.96 19.82,38.08 19.88,38.22 19.9,38.38 19.88,38.54 19.81,38.68 19.7,38.8 19.41,38.96 19.21,39.1 19.03,39.26 18.87,39.44 18.62,39.76 18.46,40.02 18.32,40.29 18.22,40.58 16.49,47.04 ; 22.35,36.63 22.35,36.63 ; 22.69,36.48 22.71,36.48 ; 22.71,36.48 35.66,36.48 ; 35.64,36.48 35.66,36.48 ; 35.64,36.48 35.63,36.48 ; 35.64,36.48 35.69,36.48 ; 35.66,36.48 35.69,36.48 ; 22.33,36.67 22.26,36.72 ; 35.69,36.48 35.74,36.49